# Altium PCB openmv-ae3.PcbDoc (part 2 of 5) (continued)
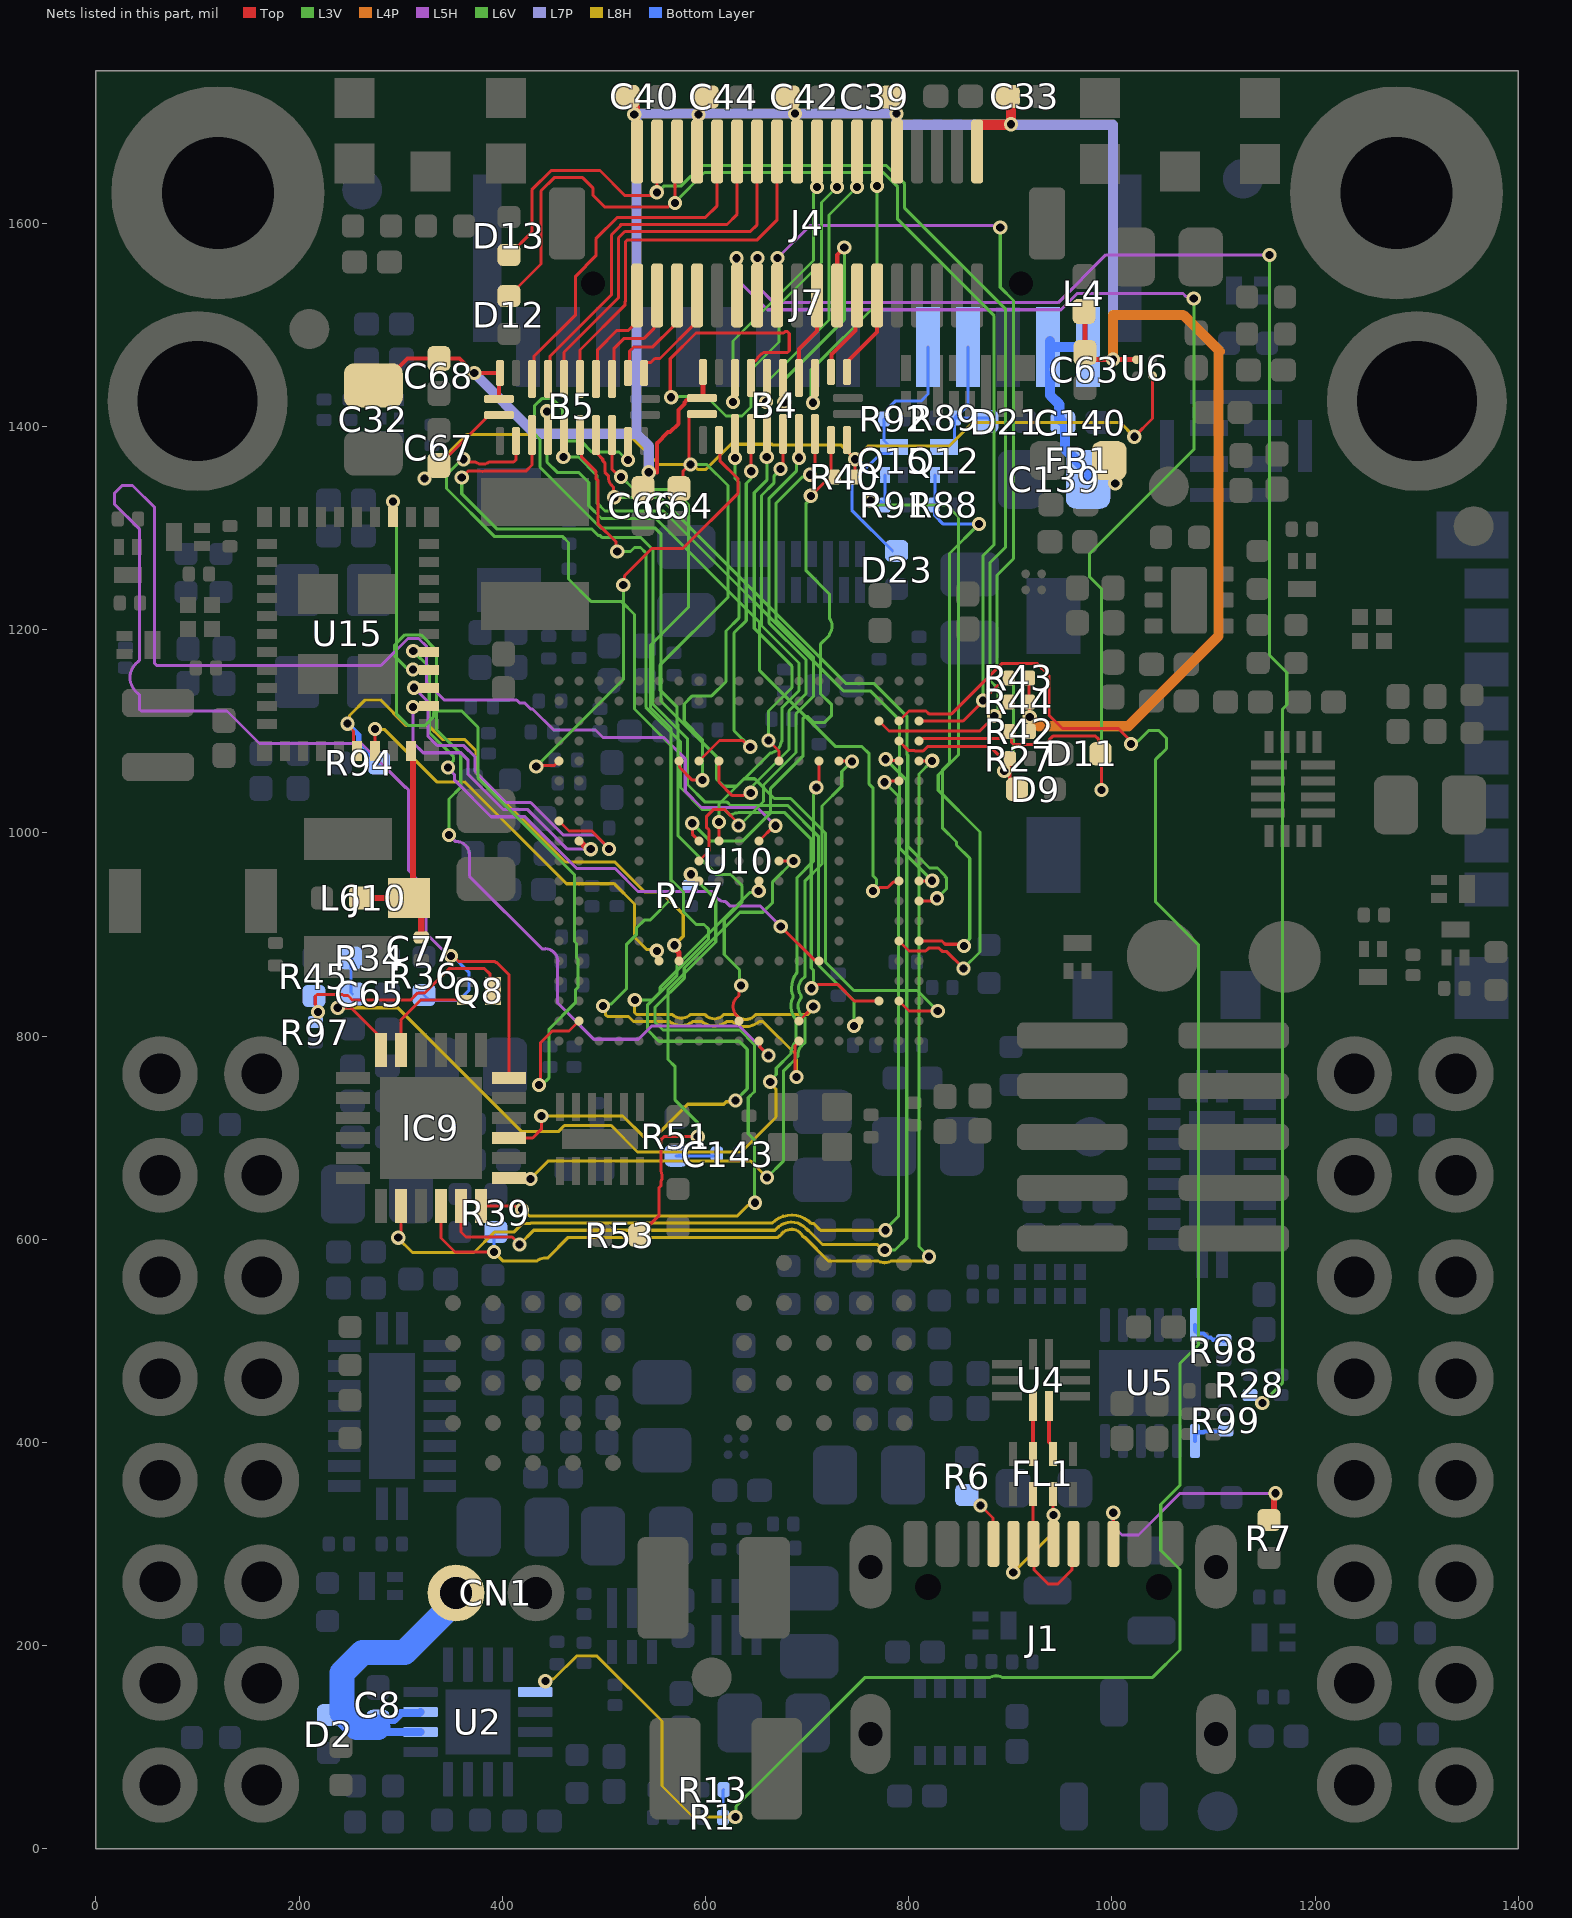
[diagram p10: the nets of this part, all layers, seen from the top]
## Part data (continued)
X4: "2.0X1.6X0.65MM 38.4MHZ CRYSTAL", MANUFACTURER_NAME="Murata Electronics", Datasheet Link=http://www.murata.com/products/productdata/8801066811422/SPEC-XRCGB38M400F4M00R0.pdf, Geometry.Height=0.7mm, MANUFACTURER_PART_NUMBER=XRCGB38M400F4M00R0, MPN=XRCGB38M400F4M00R0, Part Number=XRCGB38M400F4M00R0
Y1: library part ABS07-32.768KHZ-7-T, "Check availability", PACKAGE="SMD-2 Abracon LLC", AVAILABILITY="In Stock", DeviceSetName=ABS07-32.768KHZ-7-T, GateName_1=G$1, LibraryName=ABS07-32.768KHZ-7-T, MF=Abracon, MP=ABS07-32.768KHZ-7-T, MPN=SC32S-7PF20PPM, Part Number=SC32S-7PF20PPM, PRICE=None, PURCHASE-URL=https://pricing.snapeda.com/search/part/ABS07-32.768KHZ-7-T/?ref=eda, SymbolName_1=ABS07-32.768KHZ-7-T
Q2: GateName_1=G$1, HEIGHT=1.1mm, MPN=DMG2301L-7, Part Number=DMG2301L-7
S1 S2: MPN=KMS231GLFS, Part Number=KMS231GLFS
U8: MF=NXP, MPN=NVT4858HKZ
X3: MPN=ECS-327MVATX-3-CN-TR3, Part Number=ECS-327MVATX-3-CN-TR3

## Free pads (board coordinates)
  round 209.84 hole 110.24 mask+1.97: 0(120,1630) 0(1280,1630)

## Via types
v1: diameter 14, hole 8, Top to Bottom Layer, tented both sides, 631 vias
v2: diameter 25, hole 15, Top to Bottom Layer, tented both sides, 7 vias
v3: diameter 30, hole 15, Top to Bottom Layer, tented both sides, 3 vias
v4: diameter 14/14/0/14/14/14/14/0/14/14 (per signal layer), hole 8, Top to Bottom Layer, tented both sides, 2 vias

## Nets (pads, with @x,y where several pads share a name; then routed paths per layer and width w, separated by ;. In a path a pad name is that pad's centre, name@x,y a point inside that pad or via, vN(x,y) a via of type N, cw(c..) or ccw(c..) an arc to the next point about the centre after c; other vN are vias at no path point)
ANT: C77.1 J10.1 L6.2 U15.41 | length 238.5
  Top w6: L6.2@259.84,936.02 J10.1@308.2,936.04 ; U15.41@312.01,1080.71 312.01,939.85 J10.1@308.2,936.04 320.16,924.08 C77.1@320.16,897.14
BAT: C8.2 CN1.1 D2.1 U2.2 U2.3 | length 312.2
  Bottom Layer w8: C8.2@277.56,119.68 282.08,115.16 U2.2@319.48,115.16 ; 289.66,126.91 293.25,126.91 300.06,133.72 318.36,133.72 U2.3@319.48,134.84
  Bottom Layer w10: CN1.1@354.33,251.97 CN1.1@354.33,257.42
  Bottom Layer w25: C8.2@277.56,119.68 256.77,119.68 242.13,134.33 242.13,173.23 262.3,193.41 303.64,193.41 354.33,244.09 CN1.1@354.33,251.97
BL_USB_D_N: R99.1 U5.1 | length 35.5
  Bottom Layer w4: U5.1@1081.69,401.57 1081.69,407.27 1084.58,410.15 1090.27,410.15 1091.12,411 R99.1@1110,411
BL_USB_D_P: R98.1 U5.12 | length 38.2
  Bottom Layer w4: U5.12@1081.69,515.75 1081.69,510.06 1084.58,507.17 1090.27,507.17 1093.86,503.58 1097.07,503.58 1099.41,501.24 1108.76,501.24 R98.1@1110,500
BT_D_WAKE: U10.E14 U15.39 | length 408.6
  Top w3: U15.39@274.6,1080.71 v1(274.61,1102.36)
  L8H w3: v1(274.61,1102.36) 275.22,1101.75 284.25,1101.75 336,1050 363.2,1050 463.15,950.05 510.05,950.05 530,930.1 530,897.48 542.35,885.13 550.87,885.13 v1(552,884)
BT_H_WAKE: R94.2 U10.E13 U15.38 | length 577.8
  Top w3: v1(247.49,1107.61) 247.49,1106.32 253.45,1100.36 253.45,1090.81 253.47,1084.13 U15.38@256.89,1080.71
  Top w5: v1(569.23,889.5) 569.23,887.06 573.82,882.48 U10.E13@573.82,874.02
  L8H w3: v1(247.49,1107.61) 249.6,1109.72 249.6,1115.6 265,1131 280,1131 305,1106 327,1106 341,1092 363,1092 374,1081 374,1059 461.41,971.59 510.41,971.59 540,942 556,942 578,920 578,898.27 v1(569.23,889.5)
  Bottom Layer w5: v1(247.49,1107.61) 258.61,1096.49 258.61,1088.83 R94.2@278.54,1068.9
BT_REG_ON: U10.B18 U15.14 | length 809.6
  Top w3: v1(436.15,751.88) 437.29,753.03 437.29,793.29 449.06,805.06 465.5,805.06 U10.B18@475.39,814.96
  L3V w3: v1(292.43,1326.28) 292.43,1323.3 296,1319.73 296,1117 306.01,1106.99 307,1106 324,1106 332,1114 332,1118.24 333.76,1120 360,1120 376,1104 376,1090.2 376.07,1090.13 376.07,1053.93 471,959 471,893.19 473,891.19 473,877.2 474.64,875.56 474.64,848.36 471.8,845.52 471.8,832.8 446,807 446,759.24 438.64,751.88 v1(436.15,751.88)
BT_UART_CTS_N: U10.E6 U15.5 | length 580.9
  Top w3: v1(674,908) 706.89,875.11 710.52,875.11 U10.E6@711.61,874.02
  L5H w3: v1(346.5,1064.39) 346.5,1063.6 352.96,1057.14 352.96,1051.89 388.86,1016 422.09,1016 473.09,965 511,965 533.5,942.5 605.64,942.5 606.1,942.34 cw(c605.14,939.5) 607.95,940.57 ccw(c619.65,944.97) 619.72,932.47 624.19,928 625.43,928 654,928 v1(674,908)
  L6V w3: v1(312.31,1179) 328,1163.3 328,1099 352,1075 352,1071.65 346.5,1066.15 v1(346.5,1064.39)
BT_UART_RTS_N: U10.A9 U15.4 | length 756.5
  Top w3: U10.A9@652.56,795.28 653.4,794.44 653.4,789.6 v1(662,781)
  L5H w3: v1(347.52,997.93) 353.95,991.5 354.82,991.5 cw(c355,979) 367.5,978.82 367.5,957.5 439.01,885.99 440.25,885.99 440.43,885.99 cw(c442,873.59) 454.4,872.02 454.4,871.84 454.4,870.6 454.4,832.6 490,797 534.01,797 547.01,810 633,810 v1(662,781)
  L6V w3: v1(312,1161) 309.9,1163.1 304.9,1163.1 294,1174 294,1185 304,1195 320,1195 335,1180 335,1101.9 359,1077.9 359,1045 347.52,1033.52 v1(347.52,997.93)
BT_UART_RX: U10.M19 U15.3 | length 347.3
  Top w3: U10.M19@455.71,1011.81 465.52,1002 488,1002 505.02,984.98 v1(505.02,984.15)
  L5H w3: v1(313,1143) 327,1129 327,1095 335.01,1086.99 336,1086 362,1086 373,1075 373,1060.9 403.9,1030 427.89,1030 459.89,998 491.17,998 v1(505.02,984.15)
BT_UART_TX: U10.L18 U15.2 | length 276.7
  Top w6: U10.L18@475.39,992.13 476.08,992.13 482.59,985.62 485.49,985.62 v1(487.02,984.09)
  L5H w3: v1(312,1124) 312,1089 322,1079 359.1,1079 366,1072.1 366,1058 401,1023 424.99,1023 440.43,1007.55 463.9,984.09 v1(487.02,984.09)
CC1: J1.A5 R6.1 | length 60.3
  Top w3: J1.A5@883.24,300.39 882.89,300.75 882.89,325.77 ; 882.89,325.77 v1(870.58,338.08) 882.89,325.77
CC2: J1.B5 R7.1 | length 253.1
  Top w3: v1(1001.29,331.01) 1001.32,301.68 J1.B5@1002,301 ; R7.1@1154.53,323.82 R7.1@1159.46,328.75
  Top w6: R7.1@1159.46,328.75 1159.46,348.8 v1(1160.83,350.17)
  L5H w3: v1(1001.29,331.01) 1000.98,330.7 1000.98,317.92 1009.9,309 1026.01,309 1067.01,350 1160.66,350 v1(1160.83,350.17)
CHG: R1.1 R13.2 U2.9 U10.U2 | length 2137.9
  Top w3: U10.U2@790.35,1110.24 800.14,1120.02 817,1120.02 819.79,1117.24 842.24,1117.24 892,1167 926,1167 938,1155 938,1116 951.34,1102.66 1006.34,1102.66 1018.74,1090.26 v1(1018.74,1087.47)
  L3V w3: v1@630,31 630,42 757,169 880.06,169 cw(c886,158) 891.94,169 1040,169 1066.9,195.9 1066.9,275 1048,293.9 1048,339 1066.9,357.9 1066.9,478 1085,496.1 1085,890.1 1043,932.1 1043,1072.43 1053.56,1082.99 1053.56,1093.35 1046.24,1100.67 1035.88,1100.67 1025.84,1090.63 1024.88,1090.63 1022.25,1088 v1@1018,1088
  L8H w3: v1(442.28,165.18) 444.39,167.28 450.38,167.28 473.1,190 492.9,190 557,125.9 557,62 587.56,31.44 v1(629.28,31.44)
  Bottom Layer w3: R1.1@617.15,31.12 617.15,57.84 R13.2@617.69,58.38
D1_N: FL1.3 J1.A7 J1.B7 | length 150.6
  Top w3: v1(902.83,272.15) 902.88,272.2 902.88,300.34 J1.B7@902.93,300.39 ; FL1.3@941.93,349.4 942.14,349.2 942.14,328.84 v1(942.34,328.63) ; J1.A7@942.3,300.39 v1(942.34,328.63)
  L8H w3: v1(902.83,272.15) 942.69,312.01 v1@942.69,328.29
  Bottom Layer w3: v1(942.34,328.63) v1@942.69,328.29
D1_P: FL1.2 J1.A6 J1.B6 | length 150.1
  Top w3: FL1.2@922.25,349.4 922.25,300.39 923.04,299.6 923.04,275.01 937.2,260.85 946.65,260.85 960.81,275.01 960.81,299.22 J1.B6@961.98,300.39
D2_N: FL1.6 U4.2 | length 48.9
  Top w4: U4.2@937.99,436.02 937.99,400.59 941.93,396.66 FL1.6@941.93,388.78
D2_P: FL1.7 U4.1 | length 47.2
  Top w4: FL1.7@922.25,388.78 U4.1@922.24,436.02
DCMI_3.3V: B4.22 B4.23 B5.22 B5.23 C32.1 C33.2 C39.2 C40.2 C42.2 C44.2 C63.1 C66.1 C68.1 J4.2 J4.10 J4.20 J4.30 J4.36 L4.2 R42.2 R43.2 R44.2 U6.A1 | length 2480.1
  Top w3: R43.2@918.46,1152.56 R44.2@918.46,1128.94 919,1128.4 v1(919,1114.2)
  Top w4: C32.1@291.58,1451.84 306.67,1466.93 C68.1@337.6,1466.93 337.67,1467 358,1467 v1(372.24,1452.76) B5.22@397.64,1452.76 396.65,1451.77 B5.23@396.65,1427.17 ; 552,1355 552,1383.59 563,1394.59 565.07,1394.59 573.27,1402.78 573.27,1416.31 579.12,1422.16 579.12,1423.87 581.46,1426.21 594.52,1426.21 B4.23@596.46,1428.15
  Top w5: B4.23@596.46,1428.15 597.44,1429.13 B4.22@597.44,1453.74 ; L4.2@972.44,1513.39 973.43,1512.4 C63.1@973.43,1472.83 980.39,1465.87 U6.A1@1024.13,1465.87
  Top w6: C40.2@522.87,1725 522.87,1724.39 532.68,1714.59 J4.36@532.68,1670.87
  Top w10: J4.2@867.32,1670.87 867.32,1697.05 v1@900.49,1697.05 ; C33.2@896.87,1725 900.49,1725 v1(900.49,1697.64)
  L4P w10: v1(919,1114.2) 928.2,1105 1016,1105 1105,1194 1105,1475 ; v1(1001,1466) 1001,1510 1070,1510 1105,1475 ; 1106,1474 1105,1475
  L7P w10: v1(372.24,1452.76) 432,1393 532,1393 ; v1(544,1355) 544,1381 532,1393 ; v1@592.77,1707.77 591.15,1707.77 590.92,1708 530.38,1708 v1(529.73,1707.34) 529.73,1706.26 532,1703.99 532,1393 ; v1@593,1708 v1(688,1708) v1(788,1708) 788,1697.05 1001,1697.05 v1(1001,1466)
  other v1: 593,1707
DCMI_CLK: B4.15 J4.12 | length 241
  L3V w3: v1(705.79,1423.4) 704,1425.19 704,1455.97 768.7,1520.67 v1(768.7,1636.81)
DCMI_CLK_INT: B4.7 U10.R11 | length 462.3
  Top w3: U10.R11@613.19,1070.87 613.19,1049.81 626.29,1036.71 637.24,1036.71 637.96,1037.43 642.4,1037.43 v1(644.5,1039.53) ; v1(691.86,1369.32) B4.7@691.93,1392.72
  L3V w3: v1(644.5,1039.53) 646.6,1041.64 646.6,1046.71 682,1082.1 682,1120.2 699,1137.2 699,1170.17 662.19,1206.98 662.19,1329.02 689.29,1356.11 689.29,1362.06 689.76,1362.53 689.76,1367.21 v1(691.86,1369.32)
DCMI_D0: B5.14 J4.31 | length 107.4
  Top w3: B5.14@523.62,1452.76 525,1454.13 525,1474 529.45,1478.45 548.13,1478.45 567.64,1497.96 567.64,1498.35 572.05,1502.75 J4.31@572.05,1529.13
DCMI_D0_INT: B5.8 U10.B7 | length 915.8
  Top w3: B5.8@507.87,1391.73 507.87,1358.02 515.37,1350.52 v1(516.75,1350.52) ; U10.B7@691.93,814.96 705.97,829.01 v1(705.97,829.24)
  L3V w3: v1(516.75,1350.52) 517.08,1350.52 529.61,1337.99 568.01,1337.99 583,1323 583,1222 546,1185 546,1123 566,1103 566,954.15 578.2,941.95 578.2,922.37 590.7,909.87 598.37,909.87 603,905.24 603,895.69 555.37,848.06 555.37,843.42 547.6,835.65 v1(530.37,835.65)
  L8H w3: v1(530.37,835.65) 530.17,835.44 530.17,823.25 531.04,822.37 531.92,821.49 567.06,821.49 ccw(c576.09,830.14) 585.11,821.49 599.02,821.49 599.61,820.9 ccw(c608.59,829.6) 617.56,820.91 618.15,821.49 629.35,821.49 630.23,820.61 cw(c628.1,818.49) 630.27,820.57 ccw(c639.5,829) 648.73,820.57 cw(c650.9,818.49) 648.77,820.61 649.65,821.49 700.59,821.49 705.97,826.87 v1(705.97,829.24)
DCMI_D1: B5.13 J4.29 | length 103.5
  Top w3: B5.13@539.37,1452.76 539.37,1460.61 541.81,1463.05 546.05,1463.05 550,1467 555.07,1467 591.73,1503.66 J4.29@591.73,1529.13
DCMI_D1_INT: B5.9 U10.C2 | length 1045.4
  Top w3: U10.C2@790.35,834.65 800.14,824.86 817.86,824.86 818,825 828.22,825 v1(828.5,824.72)
  L6V w3: v1(523.55,1367.19) 522.53,1367.19 514.72,1375 488,1375 477,1386 460.76,1386 459,1387.76 459,1417.68 449.18,1427.5 438.82,1427.5 431.5,1420.18 431.5,1392.89 437,1387.39 437,1360.1 497.1,1300 550.6,1300 556,1294.6 556,1130 611,1075 611,1053 618,1046 630.4,1046 637.79,1053.39 648.32,1053.39 667.68,1034.03 683.77,1034.03 690.83,1026.97 718.01,999.8 718.01,872.88 745.9,845 808.22,845 v1(828.5,824.72)
DCMI_D2: B5.16 J4.35 | length 105.8
  Top w3: B5.16@492.13,1446.85 493.76,1448.48 493.76,1475.76 512.74,1494.74 524.2,1494.74 532.68,1503.21 J4.35@532.68,1529.13
DCMI_D2_INT: B5.6 U10.C3 | length 777.6
  Top w3: B5.6@474,1387 477.74,1383.26 477.74,1370.26 492,1356 492,1349.17 494,1347.17 494,1304.34 512.02,1286.32 512.02,1278.11 v1(513.05,1277.08) ; v1(704.27,847.16) 707.24,847.16 711.09,851 730,851 746.35,834.65 U10.C3@770.67,834.65
  L6V w3: v1(513.05,1277.08) 526.18,1277.08 530.1,1281 536,1281 541.21,1275.79 541.21,1123.9 575.26,1089.86 575.26,1044.74 596.66,1023.34 618.39,1023.34 622.81,1018.92 623.69,1018.04 624.93,1018.04 625.75,1018.04 cw(c632.42,1007.47) 632.42,1019.97 678.03,1019.97 704.01,993.99 704.01,867.09 706.42,864.68 706.42,854.41 706.37,854.36 706.37,849.26 v1(704.27,847.16)
DCMI_D3: B5.20 J4.28 | length 350.3
  Top w3: B5.20@429,1446.98 430.99,1448.97 430.99,1468.99 472.06,1510.06 472.06,1548.11 492,1568.05 492,1584.8 513.2,1606 600,1606 611.42,1617.42 J4.28@611.42,1670.87
DCMI_D3_INT: B5.2 U10.A7 | length 1081.5
  Top w3: v1(361.78,1367.91) 364.57,1365.07 373.36,1365.07 ccw(c380.25,1375.5) 387.14,1365.07 411.07,1365.07 413.39,1367.39 B5.2@413.39,1385.83 ; v1(689.49,759.97) 688,761.45 688,790.67 691.93,794.6 U10.A7@691.93,795.28
  L8H w3: v1(498.91,829.83) 501.01,827.72 501.01,823.21 501.66,822.57 501.66,821.1 502.54,820.22 503.41,819.34 524.17,819.34 529.02,814.49 564.45,814.49 ccw(c576.09,830.14) 587.72,814.49 596.12,814.49 ccw(c598.19,816.67) 596.6,814.12 597.51,813.55 cw(c595.92,811.01) 597.59,813.5 ccw(c608.59,829.6) 619.59,813.51 cw(c621.26,811.01) 619.67,813.55 620.58,814.13 ccw(c618.98,816.67) 621.05,814.49 626.45,814.49 627.37,813.57 cw(c626.34,810.75) 628.08,813.19 ccw(c639.5,829) 650.92,813.19 cw(c652.66,810.75) 651.63,813.57 652.55,814.49 656.4,814.49 689.49,781.41 v1(689.49,759.97)
  L6V w3: v1(361.78,1367.91) 360.23,1367.91 345,1352.68 345,1339 392,1292 459,1292 465,1286 465,1250 487,1228 517,1228 530,1215 530,1122 566,1086 566,935 545.24,914.24 539.53,914.24 532.21,906.92 532.21,900.21 522,890 522,846.51 507.25,831.75 500.83,831.75 v1(498.91,829.83)
DCMI_D4: B5.19 J4.26 | length 362.6
  Top w3: B5.19@444.88,1446.85 446.71,1448.68 446.71,1469.01 507.34,1529.64 507.34,1588.72 516.1,1597.48 516.1,1599 621,1599 631.1,1609.1 J4.26@631.1,1670.87
DCMI_D4_INT: B5.3 U10.B4 | length 928.8
  Top w3: v1(360,1350) 366.11,1356.11 378.17,1356.11 ccw(c380.25,1375.5) 382.33,1356.11 423.11,1356.11 429.13,1362.13 B5.3@429.13,1391.73
  L6V w3: v1@361.54,1350 v1(360,1350) 360,1333.9 394.9,1299 488.2,1299 494.2,1293 495.9,1293 497.9,1291 535.9,1291 548.21,1278.69 548.21,1126.8 582.26,1092.76 582.26,1047.64 599.56,1030.34 621.29,1030.34 624.6,1027.03 670.97,1027.03 671.03,1026.97 680.93,1026.97 711.01,996.88 711.01,869.99 746,835 v1(746,810)
DCMI_D5: B5.15 J4.33 | length 112.2
  Top w3: B5.15@507.87,1446.85 509.68,1448.65 509.68,1476.75 519.84,1486.92 539.51,1486.92 549.02,1496.43 549.02,1525.79 J4.33@552.36,1529.13
DCMI_D5_INT: B5.7 U10.H1 | length 681.7
  Top w3: B5.7@494.53,1373.84 B5.7@494.27,1374.09 ; 498.81,1365.63 498.81,1366.66 498.81,1367.91 498.5,1368.21 ; v1@509.51,1331.49 509.51,1340.08 508.68,1340.95 ccw(c506.51,1338.89) 508.5,1341.13 cw(c516.75,1350.52) 504.25,1350.53 504.25,1351.75 500.87,1355.12 500.87,1364.29 498.65,1366.51 498.5,1366.66 498.5,1367.46 498.5,1368.21 ; U10.H1@810.04,933.07 v1@822.3,933.07 ; B5.7@494.27,1374.09 494.27,1389.58 B5.7@492.13,1391.73 492.13,1376.24 B5.7@494.27,1374.09 ; B5.7@494.27,1374.09 494.27,1372.44 497.93,1368.78 498.5,1368.21
  L6V w3: v1(510.1,1330.41) 554.98,1330.41 738.45,1146.95 766.05,1146.95 798.12,1114.88 798.12,1077.47 799,1076.59 799,986.9 820.4,965.5 828.18,965.5 835.5,958.18 835.5,957.5 837,956 837,944.8 v1(827.87,935.67)
DCMI_D6: B5.18 J4.24 | length 375.1
  Top w3: B5.18@460.63,1446.85 460.63,1473.03 514.34,1526.74 514.34,1585.82 520.52,1592 644,1592 650.79,1598.79 J4.24@650.79,1670.87
DCMI_D6_INT: B5.4 U10.J2 | length 696.6
  Top w3: v1(764.76,942.81) 767.74,942.81 771.17,946.25 779.17,946.25 784.76,951.84 789.43,951.84 U10.J2@790.35,952.76
  L6V w3: v1(444,1415) 444,1365 454,1355 475,1355 485,1345 485,1322 497.5,1309.5 551,1309.5 653.25,1207.25 653.25,1159.75 728,1085 754,1085 761,1078 761,1048 764.99,1044.01 764.99,957.69 768.31,954.37 768.31,949.34 764.76,945.79 v1(764.76,942.81)
DCMI_D7: B5.17 J4.22 | length 379.3
  Top w3: B5.17@476.38,1446.85 476.38,1475.38 520.82,1519.82 520.82,1523.32 521.34,1523.84 521.34,1582.11 523.1,1583.87 650.87,1583.87 670.47,1603.47 J4.22@670.47,1670.87
DCMI_D7_INT: B5.5 U10.J1 | length 638.4
  Top w3: U10.J1@810.04,952.76 810.16,952.88 822.88,952.88 v1(823,953)
  L6V w3: v1(460,1370) 475,1370 493,1352 493,1325 501,1317 558.5,1317 735.55,1139.95 762.05,1139.95 791,1111 791,985 v1(823,953)
DCMI_FSIN: J4.23 R28.1 | length 1705.1
  L5H w3: v1(651,1566) 651,1538 667,1522 947,1522 994,1569 v1(1155,1569)
  L6V w3: v1(1148,439) 1168,459 1168,1122 1172,1126 1172,1158 1155,1175 v1(1155,1569)
DCMI_HSYNC: B4.20 J4.18 | length 245.9
  L3V w3: v1(626.97,1424.21) 626.97,1484.31 706.18,1563.52 706.18,1629.38 709.65,1632.85 v1(709.65,1635.83)
DCMI_HSYNC_INT: B4.2 U10.R19 | length 453.8
  Top w3: v1(433.29,1065.44) 434.27,1066.42 451.1,1066.42 455.55,1070.87 U10.R19@455.71,1070.87 ; v1(519,1244) 520.13,1245.13 520.13,1253.13 546.86,1279.86 577.33,1279.86 632,1334.52 632,1348.32 614,1366.32 B4.2@614,1387
  L3V w3: v1(433.29,1065.44) 519,1151.15 v1(519,1244)
DCMI_MISO: B4.17 J4.15 | length 226.9
  Top w4: v1(736.52,1576.28) 736.52,1575.88 729.57,1568.94 J4.15@729.57,1529.17 ; J4.15@729.53,1529.13 J4.15@729.57,1529.17
  L3V w3: v1(677.45,1423.89) 677.45,1446.15 736.52,1505.22 v1(736.52,1576.28)
DCMI_MISO_INT: B4.5 U10.R8 | length 333.5
  Top w3: v1(662,1091) 672.24,1080.76 U10.R8@672.24,1070.87
  L3V w3: v1(660.23,1370.13) 660.23,1347.23 647.89,1334.89 647.89,1201.48 684.74,1164.63 684.74,1164.26 685,1164 685,1143 662,1120 v1(662,1091)
DCMI_MOSI: B4.16 J4.17 | length 88.7
  Top w4: B4.16@691.93,1447.83 691.93,1476.38 709.53,1493.98 709.53,1528.82 J4.17@709.84,1529.13
DCMI_MOSI_INT: B4.6 U10.L11 | length 458.6
  Top w3: U10.L11@613.19,992.13 v1(613.21,1010.84) ; v1(673.79,1358.29) 673.79,1361.27 676.18,1363.66 B4.6@676.18,1392.72
  L3V w3: v1(613.21,1010.84) 613.21,1028.48 663.31,1078.57 ccw(c662,1091) 674.31,1088.84 cw(c677.26,1088.29) 675,1090.26 675,1123.1 692,1140.1 692,1167.27 655,1204.27 655,1332.1 667.23,1344.33 667.23,1351.08 673.79,1357.64 v1(673.79,1358.29)
DCMI_PCLK: B4.18 J4.14 | length 248.7
  L3V w3: v1(659.45,1424.21) 659.45,1442.91 721.46,1504.92 721.46,1608.27 v1(749.02,1635.83)
DCMI_PCLK_INT: B4.4 U10.R12 | length 382.6
  Top w3: U10.R12@593.5,1070.87 613.64,1091 636.64,1091 642.85,1084.79 v1(643.89,1084.79) ; B4.4@644.69,1392.72 644.69,1356.31 v1(645,1356)
  L3V w3: v1(643.89,1084.79) 627.97,1100.71 627.97,1196.97 640,1209 640,1344 644,1348 v1@644,1356
DCMI_PWDN: D11.1 J4.25 R42.1 U10.T1 | length 1271.2
  Top w3: U10.T1@810.04,1090.55 811.58,1090.55 814.03,1093 889,1093 893,1097 893.69,1097 R42.1@897.84,1101.16 ; R42.1@899,1100 901,1098 901,1089 903,1087 933.6,1087 942.26,1095.66 983.34,1095.66 986.84,1092.16 986.84,1079.85 D11.1@988.7,1078 989.8,1076.89 v1(989.8,1042.41)
  L3V w3: v1(989.8,1042.41) 989.8,1240.2 978,1252 978,1275 1080.53,1377.53 v1(1080.53,1526)
  L5H w3: v1(630.56,1565.65) 628.45,1563.55 628.45,1558.85 628,1558.4 628,1548 661,1515 949.9,1515 965.81,1530.91 1069.91,1530.91 1072.72,1528.1 1078.43,1528.1 v1(1080.53,1526)
DCMI_PWR_INT: B4.10 B4.24 B5.24 C64.1 C67.1 R40.2 U6.B2 U10.B10 | length 1697.8
  Top w3: C67.1@337.6,1361.81 383.39,1407.6 383.39,1408.98 385.83,1411.42 B5.24@396.65,1411.42 ; C64.1@573.82,1338.98 577.83,1342.98 577.83,1356.19 584.37,1362.74 v1(585.05,1362.74) 583.46,1364.33 583.46,1409.96 585.77,1412.27 B4.24@586.12,1412.27 ; U10.B10@632.87,814.96 632.87,818.4 cw(c639.5,829) 631.87,838.9 631.99,839.03 632.87,839.91 632.87,847.87 v1(635,850) ; B4.10@739.17,1386.81 741.61,1384.37 741.61,1373.42 v1(747.2,1367.82) R40.2@747.2,1350.39 ; v1(1022,1390) 1039.87,1407.87 U6.B2@1039.87,1450.13
  L3V w3: v1(585.05,1362.74) 601.26,1362.74 622,1342 622,1232 555,1165 555,1140.91 572,1123.91 572,1107.1 573,1106.1 573,997 611,959 625,959 636,948 636,932 618.39,914.39 618.39,880.39 633.41,865.37 633.41,851.59 v1(635,850)
  L8H w3: v1(323.31,1348.98) 323.31,1350.31 365,1392 524.92,1392 554.18,1362.74 v1(585.05,1362.74) 587.4,1362.74 592.31,1357.82 600.15,1357.82 624.95,1382.63 665.41,1382.63 666.04,1382 733.03,1382 v1(747.2,1367.82) 760.38,1381 840,1381 863,1404 1008,1404 v1(1022,1390)
DCMI_RST#: D9.1 J4.21 R27.1 U10.T2 | length 941.7
  Top w3: U10.T2@790.35,1090.55 799.9,1081 805.75,1081 805.98,1080.76 814.09,1080.76 818.33,1085 880,1085 888,1077 R27.1@899,1077 ; R27.1@899.38,1073.29 899.38,1052.69 906.3,1045.77 D9.1@906.3,1043
  L3V w3: v1(890,1596) 890,1537.09 903,1524.09 903,1270 887,1254 887,1164 903,1148 903,1070 v1(894,1061)
  L5H w3: v1(670.78,1565.85) 702.93,1598 888,1598 v1(890,1596)
DCMI_SCL: D12.1 J4.32 R43.1 U10.U1 | length 1215
  Top w3: D12.1@406.5,1528.54 438,1560.04 438,1632.1 450.9,1645 479,1645 489,1635 489,1628 501,1616 563.02,1616 569.95,1622.92 570,1622.92 570,1668.82 J4.32@572.05,1670.87 ; U10.U1@810.04,1110.24 853.51,1110.24 872.97,1129.7 v1(872.97,1130.29) ; v1@872.79,1130.47 888.88,1146.56 893.15,1146.56 898.46,1151.87 R43.1@898.46,1152.56
  L3V w3: v1@570,1621 599,1650 775,1650 789,1636 789,1604 884,1509 884,1284 872.97,1272.97 v1(872.97,1130.29)
  other v1: 570,1620
DCMI_SCLK: B4.14 J4.13 | length 86.1
  Top w4: B4.14@723.43,1453.74 724.13,1454.44 724.13,1471.18 747.57,1494.62 747.57,1527.49 J4.13@749.21,1529.13
DCMI_SCLK_INT: B4.8 U10.K12 | length 543.6
  Top w3: U10.K12@593.5,972.44 603.29,982.23 603.29,1003.08 600.71,1005.66 600.71,1016.02 608.03,1023.34 618.39,1023.34 632.42,1009.32 v1(632.42,1007.47) ; v1(702.67,1352.64) 702.67,1354.89 707.68,1359.9 B4.8@707.68,1392.72
  L3V w3: v1(632.42,1007.47) 633.47,1007.47 657,1031 657,1047.2 689,1079.2 689,1117.3 706,1134.3 706,1173.07 669.19,1209.87 669.19,1324.27 695.47,1350.54 700.57,1350.54 v1(702.67,1352.64) ; v1(702.67,1352.64) v1@702.7,1354.6
DCMI_SDA: D13.1 J4.34 R44.1 U10.U3 | length 1238.9
  Top w3: D13.1@406.49,1568.9 429,1591.41 429,1633 448,1652 496,1652 520.74,1627.26 545.7,1627.26 549.02,1630.57 v1(551.99,1630.57) 552.18,1630.76 552.18,1670.69 J4.34@552.36,1670.87 ; U10.U3@770.67,1110.24 780.57,1100.34 869.87,1100.34 892.46,1122.94 893.15,1122.94 898.46,1128.25 R44.1@898.46,1128.94
  L3V w3: v1(551.99,1630.57) 552.82,1630.57 559.25,1637 576.1,1637 596.1,1657 777.9,1657 796,1638.9 796,1615 895,1516 895,1281 880,1266 880,1150 888,1142 888,1121.95 884.14,1118.08 v1(884.14,1115.11)
DCMI_SSEL: B4.13 J4.11 | length 87.7
  Top w4: B4.13@739.17,1453.74 739.17,1463.58 741.11,1465.52 768.9,1493.31 J4.11@768.9,1529.13
DCMI_SSEL_INT: B4.9 R40.1 U10.L12 | length 566.7
  Top w3: v1(586.93,1009.57) 586.93,998.8 593.5,992.23 U10.L12@593.5,992.13 ; v1(703.6,1331.85) 718.63,1346.87 723.68,1346.87 R40.1@727.2,1350.39 727.2,1352.71 723.43,1356.49 B4.9@723.43,1386.81
  L3V w3: v1(586.93,1009.57) 604.5,992 636,992 664,1020 664,1044 696,1076 696,1113 697.76,1114.76 700.24,1114.76 706.44,1108.56 716.79,1108.56 724.11,1115.89 724.11,1126.24 713,1137.35 713,1185.66 722,1194.66 722,1196.09 ccw(c712.03,1203.63) 722,1211.17 722,1235 699,1258 699,1324.59 706.26,1331.85 v1(703.6,1331.85)
DCMI_VSYNC: B4.19 J4.16 | length 568.8
  Top w3: v1(566.12,1428.84) 565.24,1429.71 565.24,1466.81 590.62,1492.2 676.9,1492.2 678.12,1493.42 680.6,1493.42 682.36,1491.66 682.36,1474.71 680.6,1472.96 656.99,1472.96 656,1471.97 655.4,1471.97 651.06,1467.63 651.06,1467.03 648.78,1464.75 645.85,1464.75 B4.19@644.69,1463.58
  L3V w3: v1(566.12,1428.84) 566.83,1429.55 600.96,1429.55 620.08,1410.43 635.83,1410.43 644.68,1419.29 644.68,1455.71 672.28,1483.3 672.28,1519.72 714.16,1561.6 714.16,1620.65 v1(729.33,1635.83)
DCMI_VSYNC_INT: B4.3 U10.R13 | length 389.9
  Top w3: U10.R13@573.82,1070.87 574.23,1070.45 574.23,1064.77 587,1052 v1(597,1052)
  L3V w3: v1(597,1052) 597,1092 579,1110 579,1127 587,1135 606,1135 620,1149 620,1198.9 633,1211.9 633,1345 629,1349 v1@629,1365
  other v1: 629,1369
DEBUG_RST_N: C143.2 R51.2 R53.1 R77.1 U10.J12 | length 508.9
  Top w3: R53.1@534.7,604 554,623.3 554,650.57 555.98,652.55 555.98,656.93 556.17,656.93 cw(c566.94,654.91) 557.03,659.59 ccw(c554.3,660.84) 557.25,661.39 556.94,663.05 cw(c559.89,663.6) 556.89,663.46 ccw(c544.4,663.02) 556.17,667.24 cw(c559,668.23) 556,668.2 556,674.19 555.98,697.98 559.12,701.12 v1(592.34,701.12)
  L3V w3: v1(585.5,959.34) 610,934.84 610,892.79 563,845.79 563,777 570,770 570,737 592.34,714.66 v1(592.34,701.12)
  Bottom Layer w3: R51.2@571,682.3 R51.2@573.51,682.3 ; v1(592.34,701.12) R51.2@573.51,682.3 ; C143.2@612,683 611.3,682.3 R51.2@573.51,682.3
DSI_SCL: D23.1 J7.11 Q15.3 R92.1 | length 277.3
  Bottom Layer w3: D23.1@784,1277.7 744,1317.69 744,1345 772.55,1373.55 780.55,1373.55 Q15.3@786,1379 ; Q15.3@785.43,1379.92 781.96,1379.92 775.59,1386.3 R92.1@775.59,1407.48 778.43,1410.32 778.43,1416.75 786.68,1425 812,1425 819,1432 819,1478.24 J7.11@818.9,1478.35
DSI_SCL_INT: Q15.2 R91.1 U10.F2 | length 692.1
  Top w3: U10.F2@790.35,893.7 800.25,883.8 816.65,883.8 819.55,886.7 829.72,886.7 832.92,883.5 837.01,883.5 v1(853.78,866.73)
  L6V w3: v1(762.19,1326.98) 765.16,1326.98 769.15,1323 837,1323 849,1311 849,1077 829,1057 829,1042 870,1001 870,882.95 v1(853.78,866.73)
  Bottom Layer w3: v1(762.19,1326.98) 762.76,1326.41 772.68,1326.41 R91.1@776.26,1322.83 776.57,1323.15 Q15.2@776.57,1352.36
DSI_SDA: D21.1 J7.12 Q12.3 R89.1 | length 146.3
  Bottom Layer w3: Q12.3@834.65,1379.92 838.63,1379.92 845,1386.3 845,1407.83 R89.1@845.63,1408.46 ; J7.12@858.27,1478.35 858.27,1421.1 851.63,1414.46 850.94,1414.46 845.63,1409.15 R89.1@845.63,1408.46 ; D21.1@880,1406 877.54,1408.46 R89.1@845.63,1408.46
DSI_SDA_INT: Q12.2 R88.1 U10.F1 | length 577.7
  Top w3: U10.F1@810.04,893.7 832.62,893.7 835.82,890.5 852.5,890.5 v1(854.25,888.75)
  L3V w3: v1(854.25,888.75) 854.25,890.26 860,896.01 860,975 847,988 847,991.1 833,1005.1 833,1062 840,1069 840,1275 v1(869,1304)
  Bottom Layer w3: Q12.2@825.79,1352.36 825.79,1323.98 R88.1@824.65,1322.83 825.41,1322.07 825.41,1312.59 834,1304 v1(869,1304)
DSI_VCC: C139.1 C140.2 FB1.2 J7.14 J7.15 | length 188.9
  Bottom Layer w10: J7.14@939,1484 J7.14@939,1478.35 ; J7.15@976.38,1478.35 J7.14@939,1478.35 ; C139.1@976.46,1348 976.46,1355.19 953.86,1377.79 953.86,1402.01 948.16,1407.71 948.16,1421.84 939,1431 J7.14@939,1478.35
  other v1: 1003.17,1344.15
ETH_INT#: IC9.18 R36.1 U10.L9 | length 1934.1
  Top w3: v1(349.53,879.02) 351.29,879.02 356.79,873.52 392.77,873.52 393.95,872.34 394.66,872.34 394.98,872.02 406.49,860.51 IC9.18@406.49,758.86 ; U10.L9@652.56,992.13 667.51,1007.07 v1(668.75,1007.07)
  L5H w3: v1(349.53,879.02) 348.78,879.02 342.28,885.52 340.58,885.52 325,901.1 325,945.75 307.63,963.12 307.63,1042.47 305.1,1045 304.39,1045 261.39,1088 161,1088 129,1120 44.36,1120 42.6,1121.76 42.6,1136.16 41.72,1137.04 41.56,1137.2 cw(c53.03,1152.97) 41.56,1168.74 41.72,1168.9 42.6,1169.78 42.6,1299.35 18.07,1323.88 18.07,1334.24 25.84,1342 36,1342 57.71,1320.29 57.71,1166.76 59.47,1165 280.63,1165 307.13,1191.5 317.48,1191.5 325.5,1183.48 325.5,1148.18 342.73,1130.95 414.04,1130.95 416.98,1128 422,1128 427.93,1122.07 429.69,1122.07 450.44,1101.32 491.69,1101.32 499.01,1094 559,1094 580,1073 580,1041 596,1025 650.82,1025 v1(668.75,1007.07)
  Bottom Layer w3: R36.1@322.83,840.55 328.39,835 357,835 367,845 367,863 350.98,879.02 v1(349.53,879.02)
ETH_LED: Q8.3 R45.2 R97.1 | length 224.5
  Top w3: v1(218.56,823.89) 216.45,825.99 216.45,830.5 215.81,831.14 215.81,839.24 217.57,841 242.68,841 243.68,840 248,840 252.55,835.45 309.55,835.45 316.73,842.63 323.77,842.63 347.65,866.52 382.48,866.52 387.99,861.01 387.99,847.25 Q8.3@390.75,844.49
ETH_LED_INT: IC9.23 Q8.2 | length 100.8
  Top w3: IC9.23@300.19,786.42 300.19,816.19 319.63,835.63 Q8.2@363.19,835.63
ETH_MDC: IC9.11 U10.R2 | length 986.9
  Top w3: IC9.11@359.25,632.88 359.25,607.28 364.17,602.36 409.62,602.36 v1(416.92,595.06) ; v1(777.24,1072.53) 778.25,1071.52 789.7,1071.52 U10.R2@790.35,1070.87
  L3V w3: v1(776.3,589.5) 786.5,589.5 798,601 798,1051.77 v1(777.24,1072.53)
  L8H w3: v1(416.92,595.06) 430.87,609 668.41,609 669.65,610.23 cw(c684.4,597.49) 698.69,610.75 ccw(c700.87,612.82) 698.97,610.5 700.46,609.01 701.06,609 701.84,608.22 715,595.06 769.04,595.06 774.6,589.5 v1(776.3,589.5)
ETH_MDIO: IC9.10 R39.1 U10.R1 | length 1079.5
  Top w3: IC9.10@339.56,632.88 339.56,601.38 353.35,587.6 v1(391.73,587.6) ; U10.R1@810.04,1070.87 810.11,1070.93 822.93,1070.93 v1(823,1071)
  L3V w3: v1(820,583) 810,593 810,1058 v1(823,1071)
  L8H w3: v1(391.73,587.6) 400.76,578.57 433.68,578.57 cw(c441.83,569.09) 443,581.53 443.13,581.53 444.37,581.53 464.84,602 474.79,602 671.31,602 672.52,603.21 ccw(c671.46,606.02) 673.95,604.35 cw(c684.4,597.49) 695.36,603.5 ccw(c697.98,604.97) 697.57,602 698.45,601.12 721,578.57 770.24,578.57 ccw(c776.3,589.5) 782.36,578.57 814.31,578.57 818.74,583 v1(820,583)
  Bottom Layer w3: v1(391.73,587.6) 391.73,605.32 R39.1@393.7,607.28
ETH_RST: C65.2 IC9.24 R34.1 U10.R6 | length 986.8
  Top w3: v1(238,828) 251,828 276.11,802.89 276.11,790.82 IC9.24@280.51,786.42 ; v1(709.01,1044.68) 709.01,1047.66 711.61,1050.26 U10.R6@711.61,1070.87
  L3V w3: v1(663.66,755.08) 663.66,756.47 669.52,762.34 669.52,768.42 684.02,782.92 684.02,784.24 ccw(c681.26,785.42) 684.22,784.95 cw(c703.5,782) 689,795.04 689,816.38 cw(c703.5,829.42) 685.87,837.75 ccw(c683.14,839) 685.93,840.11 cw(c704.01,847.41) 684.52,847.41 cw(c708.36,847.41) 690,862.62 690,956 706.04,972.04 706.04,1037.42 706.91,1038.29 706.91,1042.58 v1(709.01,1044.68)
  L8H w3: v1(238,828) 297,828 419,706 455,706 461,712 507,712 533,686 635,686 669.36,720.36 669.36,747.83 663.66,753.53 v1(663.66,755.08)
  Bottom Layer w3: R34.1@250.98,876.97 250.98,843.11 C65.2@252.56,841.54
ETH_RXD0: IC9.13 U10.R5 | length 709.3
  Top w3: U10.R5@731.3,1070.87 731.51,1070.65 743.78,1070.65 v1(744,1070.44)
  L3V w3: v1(660.5,661) 676.54,677.04 676.54,765.51 ; 676.52,765.52 691.02,780.02 691.02,781.26 691.02,781.34 cw(c703.5,782) 696.89,792.61 697.12,792.84 698,793.72 698,817.7 697.12,818.58 696.89,818.81 cw(c703.5,829.42) 693.55,836.98 ccw(c691.14,838.77) 693.64,840.43 cw(c704.01,847.41) 696.94,857.71 697.12,857.89 698,858.77 698,953 714.52,969.52 714.52,1026.52 734,1046 734,1060.45 v1(744,1070.44)
  L8H w3: v1(427.62,659.57) 445.14,677.09 644.41,677.09 v1(660.5,661)
ETH_RXD1: IC9.12 U10.K8 | length 790.1
  Top w3: IC9.12@378.93,632.88 412.73,632.87 416.35,629.25 v1(419.33,629.25) ; U10.K8@672.24,972.44 672.34,972.34 v1(686.46,972.34)
  L8H w3: v1(419.33,629.25) 420.33,629.25 426.58,623 631.21,623 642.13,633.92 646.55,633.92 v1(648.65,636.03)
  L6V w3: v1(648.65,636.03) 648,636.68 648,698 642,704 642,739.43 647.57,745 648,745 648,792 634,806 558,806 550,814 550,828.15 579,857.15 579,867.1 633.9,922 656.4,922 666,931.6 666,951.89 v1(686.46,972.34)
ETH_RXDV: IC9.15 U10.J9 | length 620.1
  Top w3: IC9.15@406.49,699.81 429.81,699.81 438.35,708.35 v1(438.35,721.32) ; v1(652.24,942.81) 652.4,942.96 652.4,952.6 U10.J9@652.56,952.76
  L8H w3: v1(438.35,721.32) 518.68,721.32 539,701 550.37,701 582.37,733 617.89,733 620.36,735.46 628.13,735.46 v1(629.38,736.71)
  L6V w3: v1(629.38,736.71) 641,748.33 641,787 633,795 554,795 543,806 543,831.05 572,860.05 572,870 643.39,941.39 650.83,941.39 v1(652.24,942.81)
ETH_TXCLK: IC9.8 U10.P2 | length 1004.5
  Top w3: v1(297.5,601.7) 297.5,604.68 300.19,607.37 IC9.8@300.19,632.88 ; v1(776,1050) 777.18,1051.18 U10.P2@790.35,1051.18
  L3V w3: v1(776,1050) 790,1036 790,622.99 777,609.99 v1(777,609)
  L8H w3: v1(297.5,601.7) 297.5,600.97 311.47,587 372,587 392.07,607.07 411.26,607.07 419.98,615.79 427.76,615.79 427.97,616 665.44,616 cw(c684.4,597.49) 701.06,618.1 ccw(c702.91,620.46) 701.38,617.88 701.65,617.72 703.06,616.31 cw(c684.4,597.49) 703.2,616.17 703.37,616 cw(c703.02,613.02) 704.17,615.79 706.21,615.79 713,609 v1(777,609)